# KiCad board ESP32-P4-PC_Rev_B.kicad_pcb (continued)
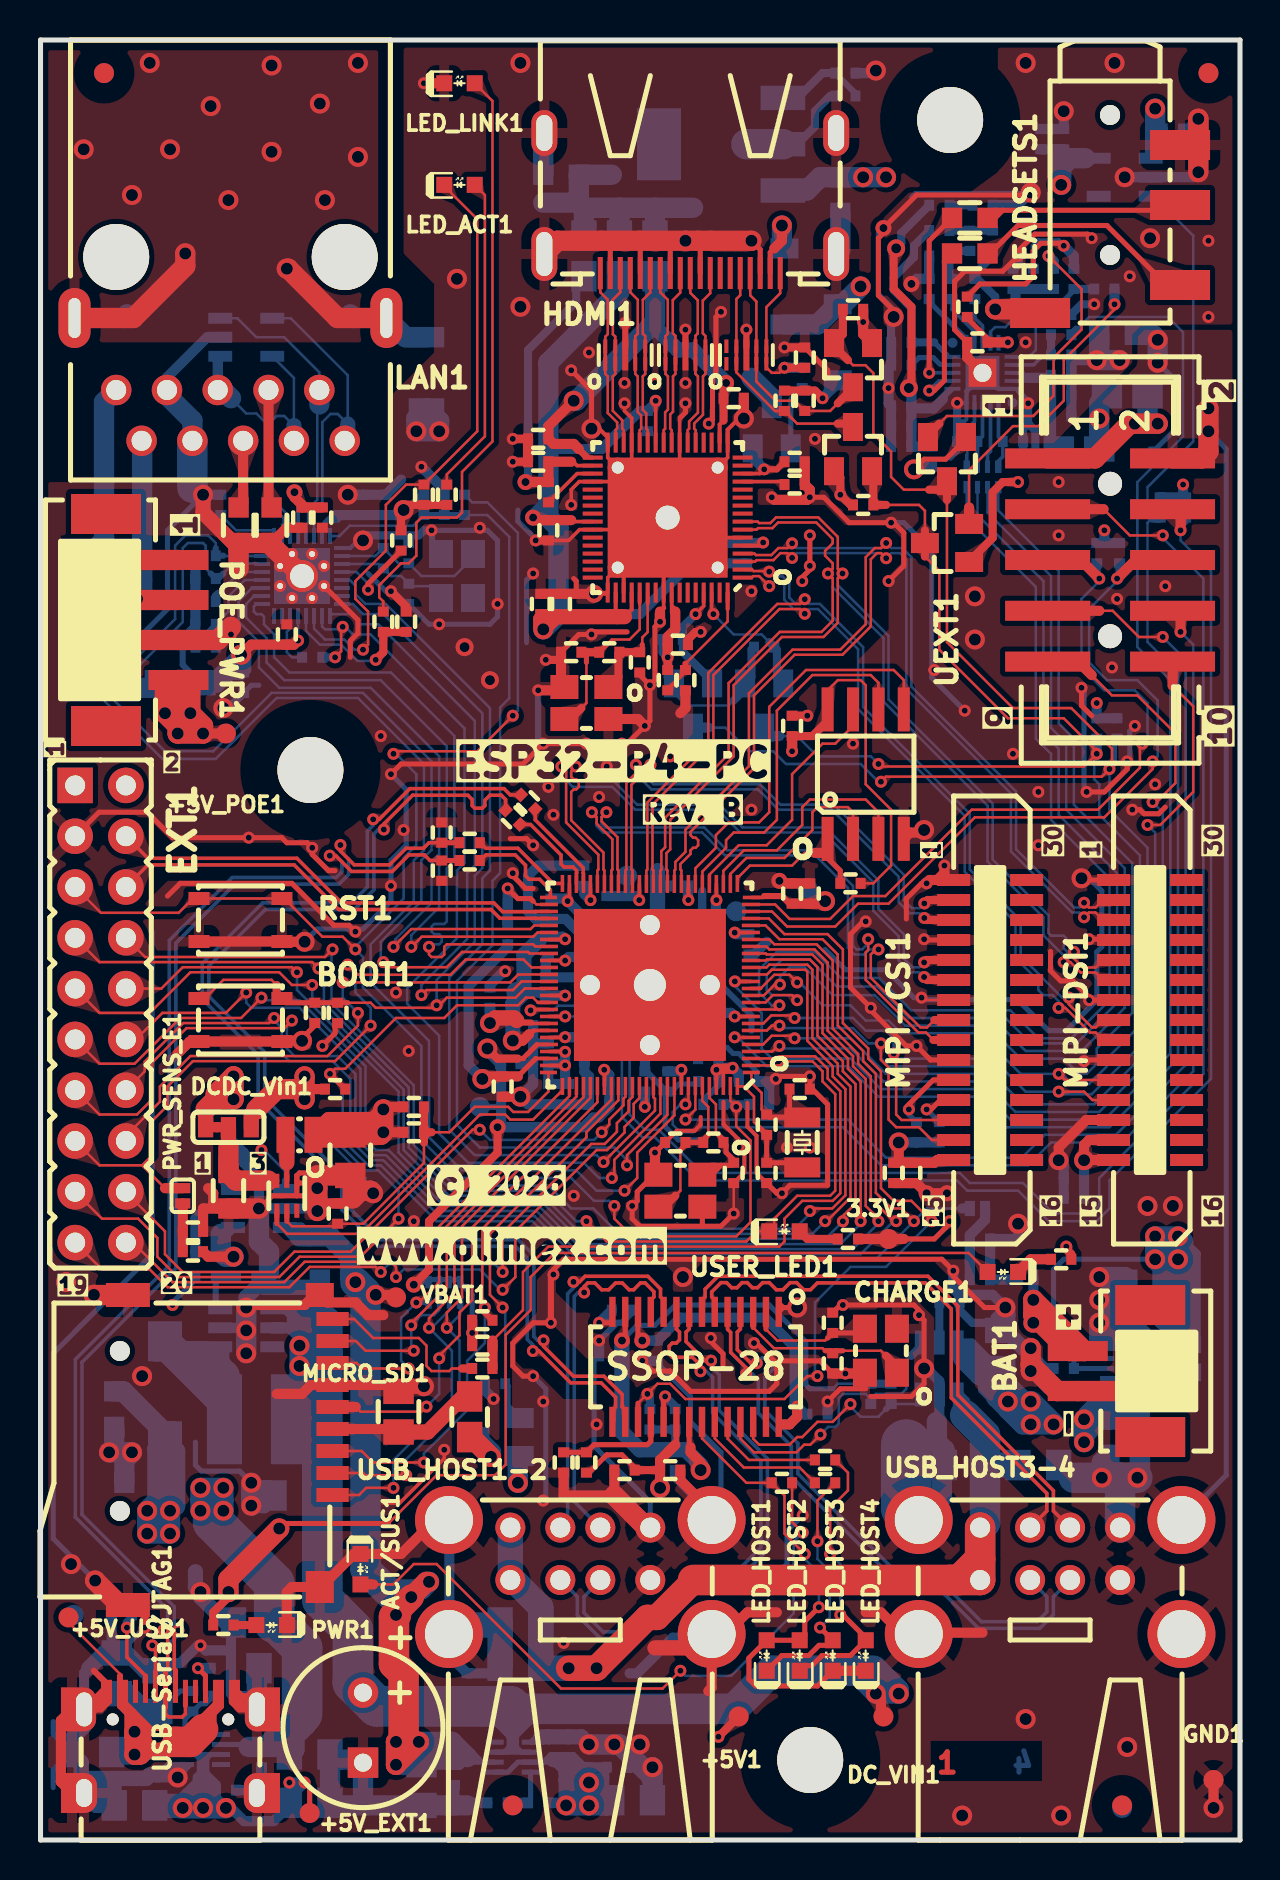
[diagram p0: board, top side]
## Routing (per net, layer and track width the routed paths; a pad name or vN(x,y) marks a point on that pad's centre or on a via; arc(x,y) is an arc through that point) (continued)
+3.3V: length 326.5
  Top w0.127: 26.24,38.73 v1(26.24,38.73) ; 26.22,39.43 v1(26.24,39.41) ; 52.21,34 v2(52.2,33.99)
  Top w0.178: U1.102 34.16,38.48 34.24,38.56 ; 25.43,39.43 26.22,39.43 ; v1(33.81,38.51) 33.81,38.51 U1.101 ; 25.43,38.73 26.24,38.73 ; v1(34.72,45.37) 34.73,45.38 U1.21 ; 25.43,43.98 26.23,43.98 v1(26.24,43.97) ; v1(34.72,41.18) 34.72,41.18 U1.9 ; v1(26.37,46.94) 26.46,47.03 U1.51 ; U1.96 v1(32.06,38.51)
  Top w0.254: v1(14.1,39.7) 14.73,40.34 14.73,40.72 R43.1 ; v1(45.47,30.94) 45.47,30.81 44.71,30.05 43.18,30.05
  Top w0.406: FET8.1 40.01,68.13 v1(40.01,67.26) 40.51,66.75 R86.1
  Top w0.508: MIPI-CSI1.15 44.85,34 44.72,33.86 C29.1 43.31,33.86 ; MIPI-DSI1.15 52.21,34 ; 43.31,33.86 43.05,33.86 42.93,33.99 v2(42.93,34.88) ; 43.31,33.86 C30.1 ; 43.18,30.05 3.3V1.1 R4.1 ; FET7.1 41.15,75.29 v1(41.15,75.9) R83.1 ; v1(34.62,38.61) 34.57,38.56 33.86,38.56 v1(33.81,38.51) ; v2(52.2,33.99) 52.2,34.75 52.45,35 MIPI-DSI1.14 ; 13.21,37.55 R42.1
  Top w0.762: DCDC_Vin1.3 10.54,36.28 10.8,36.53
  Top w1.016: 13.21,37.55 v2(13.21,38.18) ; 13.21,37.55 v2(13.21,37.04) ; 13.21,37.55 11.81,37.55 10.8,36.53 ; v2(55.88,70.82) v2(54.74,70.82) 54.48,70.82 52.75,69.08 UEXT1.1
  In1.Cu w0.508: 28.83,43.64 28.83,40.11 28.42,39.7 ; v1(26.24,43.97) 27.05,43.97 27.2,44.12 ; 28.58,44.91 28.96,44.53 32.13,44.53 32.97,45.37 v1(34.72,45.37) ; v1(32.06,38.51) 34.52,38.51 v1(34.62,38.61) ; 29.85,30.94 28.35,30.94 27.81,31.47 27.81,32.72 26.8,33.73 27.69,34.62 28.96,34.62
  In1.Cu w0.762: 27.94,39.7 28.42,39.7 29.82,38.31 31.12,38.31 33.33,40.52 33.45,40.52
  In1.Cu w1.016: 1.73,54.89 v2(4.45,57.61) 4.7,57.86 17.53,57.86 20.32,55.07 23.9,55.07 25.55,56.72 33.66,56.72 34.93,57.99 39.5,57.99 39.5,53.8 41.53,51.77 ; 13.21,34.88 15.11,34.88 16.26,33.73 26.8,33.73 ; 13.21,34.88 12.57,34.24 12.57,30.56 14.22,28.91 14.22,26.88 17.15,23.96 17.15,22.56 17.65,22.05 17.65,21.03 18.16,20.53 23.12,20.53 23.88,19.77 v2(23.88,17.86) 23.88,18.62 ; 13.21,34.88 v2(13.21,37.04) ; 33.45,40.52 33.58,40.52 34.67,41.61 35.81,41.61 35.81,44.28 v1(34.72,45.37) 35.05,45.7 35.05,47.58 36.7,49.23 41.53,49.23 41.53,51.77 ; v2(56.9,29.04) 55.5,29.04 53.98,30.56 53.98,32.34 52.32,33.99 v2(52.2,33.99) 52.2,34.5 49.28,37.42 49.28,48.34 48.01,49.61 48.01,51.26 47.5,51.77 ; v2(41.15,83.14) 40.13,83.14 38.35,81.36 38.35,75.9 v1(41.15,75.9) 41.15,74.25 40.51,73.61 40.51,68.28 41.78,67.01 43.82,67.01 ; 41.53,51.77 47.5,51.77 ; v2(54.74,70.82) 55.12,70.44 55.12,67.14 51.69,63.71 51.69,59.64 47.5,55.45 47.5,51.77
  In1.Cu w1.524: EXT1.1 1.73,54.89
  Bottom w0.254: v2(55.75,29.04) 51.18,29.04 50.67,28.53 C59.2 R44.2
  Bottom w0.305: R41.1 33.15,36.97 33.91,37.74 C42.2
  Bottom w0.508: v1(34.72,45.37) 34.8,45.29 C5.2 ; v2(52.2,33.99) C56.1 C57.1 ; v1(33.81,38.51) 33.91,38.61 v1(34.62,38.61) 34.93,38.31 C41.2 ; 53.21,64.85 v1(53.21,65.48) ; 53.21,64.85 R92.2 ; 53.21,64.85 R93.2 ; 53.85,56.09 52.83,56.09 v1(52.83,56.85) ; R49.1 R33.2 57.15,67.26 v1(57.15,67.77) ; C46.2 31.98,38.43 v1(32.06,38.51) ; C42.2 C43.2 ; v2(56.9,30.18) 57.79,29.29 57.79,24.84 57.72,24.78 L3.2 ; v1(26.24,43.97) 26.42,44.15 C32.2 ; C13.1 27.13,46.18 v1(26.37,46.94) 26.24,47.07 C12.1 ; v1(26.24,38.73) 26.24,37.98 26.42,37.8 25.4,37.8 C51.2 26.16,38.81 v1(26.24,38.73) ; v1(26.24,38.73) v1(26.24,39.41) ; v2(42.93,34.88) R27.1 R28.1 ; v1(34.72,41.18) 34.54,41.36 C4.1 C3.1
  Bottom w0.762: 57.15,25.05 L3.2
  Bottom w1.016: 55.75,29.54 v2(55.75,30.18) v2(56.9,30.18) ; 55.75,29.54 v2(55.75,29.04) ; 55.75,29.54 56.77,29.54 56.9,29.67 ; v2(56.9,30.18) 56.9,29.67 ; v2(56.9,30.18) 57.15,29.92 57.15,28.78 ; 56.9,29.67 v2(56.9,29.04) ; VR1.3 38.33,82.48 38.99,83.14 C66.1 v2(41.15,83.14) v2(42.29,83.14) ; v2(23.88,17.86) 23.88,19.1 FET1.2 ; 55.37,70.82 v2(55.88,70.82) ; 55.37,70.82 v2(54.74,70.82) ; 55.37,70.82 L9.1 ; L2.1 5.72,57.61 v2(4.45,57.61) ; v2(56.9,29.04) v2(55.75,29.04) ; v2(56.9,29.04) 57.15,28.78 ; v2(55.75,29.04) 56.13,28.66 C64.1 C63.1 56.13,26.06 57.15,25.05 57.15,28.78
+3.3VA: length 52.2
  Top w0.254: v2(43.69,68.53) 44.2,69.04 45.28,69.04 46.29,70.05 FET3.1 ; 46.36,77.17 46.99,77.8 49.28,77.8 49.66,78.19 49.66,79.45 50.04,79.84 51.06,79.84 v1(51.18,79.71)
  Top w0.406: v1(48.9,67.9) 48.13,67.9 47.63,67.39 47.63,65.1 46.45,63.93 FET4.1
  In1.Cu w0.762: 51.56,79.71 v1(51.18,79.71) ; v1(48.9,67.9) 48.9,68.41 48.77,68.53
  In1.Cu w1.016: 51.56,71.33 51.56,82.25 v2(51.06,82.76) ; 51.56,71.33 48.77,68.53 v2(43.69,68.53) ; 51.56,71.33 51.82,71.07 v2(52.96,71.07)
  Bottom w0.254: v1(51.18,79.71) 50.93,79.96 49.91,79.96 49.66,79.71 R57.2
  Bottom w0.508: R56.2 51.69,79.2 v1(51.18,79.71) ; VR2.5 52.26,84.09 ; v2(43.69,68.53) 43.82,68.66 R77.1 ; 50.8,84.53 50.8,83.52 51.06,83.27 ; 50.8,84.53 R68.1 ; 50.8,84.53 C82.1
  Bottom w1.016: 52.26,84.09 51.5,84.09 51.06,83.65 v2(51.06,82.76) ; L5.1 v2(52.96,71.07) 52.96,71.84 L9.2
+5V: length 264.8
  Top w0.254: R69.2 27.43,18.37 28.32,19.26 29.08,19.26 29.72,18.62 C91.2 ; U7.20 31.81,19.82 31.75,19.77
  Top w0.406: C67.1 C91.2 ; v1(33.91,5.16) +5V1.1
  Top w0.508: v2(30.99,17.61) C67.1 30.99,19 31.75,19.77
  In1.Cu w0.762: v2(55.75,86.57) 55.56,86.57 53.91,84.92 50.1,84.92 47.05,81.87 41.78,81.87 41.15,81.23 41.15,77.8 v2(41.02,77.68) ; 34.29,6.68 33.91,6.3 v1(33.91,5.16)
  In1.Cu w1.016: 36.64,17.16 34.04,19.77 32.26,19.77 C67.1 v2(30.99,17.61) ; 50.67,21.29 v2(50.67,20.78) 49.15,20.78 48.64,21.29 50.67,21.29 ; 50.67,21.29 50.67,21.92 ; 50.67,21.92 v2(49.53,21.92) v2(48.39,21.92) ; 50.67,21.92 51.31,22.56 56.64,22.56 58.17,24.08 58.17,68.28 57.15,69.3 57.15,80.6 56.52,81.23 56.52,85.81 v2(55.75,86.57) ; 6.48,17.61 v2(5.34,16.46) v2(5.34,15.32) v2(6.48,15.32) v2(6.48,16.46) ; 6.48,25.99 6.6,26.11 v1(6.6,26.75)
  In1.Cu w1.27: EXT1.2 4.5,52.73 6.35,50.88 6.35,40.59 6,40.24 6,26.47 6.48,25.99 v2(6.48,16.46) 6.46,16.44 5.36,16.44
  In1.Cu w2.286: 48.64,21.29 48.26,20.91 41.91,20.91 39.24,18.24 37.72,18.24 36.55,17.07 36.55,8.94 34.29,6.68 19.81,6.68 16.97,9.53 15.06,9.53 10.16,14.43 7.34,14.43 6.46,15.31
  Bottom w0.254: v1(6.6,26.75) 6.6,26.88 7.75,28.02 R95.1
  Bottom w0.406: U6.6 46.58,24.88 C74.1
  Bottom w0.508: VR2.1 55.53,84.18 55.75,84.41 ; v2(49.53,21.92) C74.1 ; C76.1 55.75,85.55 ; 47.14,23.45 47.14,22.53 47.75,21.92 v2(48.39,21.92)
  Bottom w1.016: v2(6.48,16.46) 6.73,16.72 6.73,19.42 D4.1 5.84,19.55 5.84,16.97 v2(5.34,16.46) ; v2(6.48,16.46) v2(5.34,16.46) ; v2(6.48,16.46) 6.48,15.83 ; v2(55.75,86.57) 55.75,84.41 ; D3.2 38.87,75.78 D2.2 40.13,76.78 v2(41.02,77.68) ; v2(49.53,21.92) v2(48.39,21.92) 48.39,21.54 49.15,20.78 v2(49.53,20.78) ; v2(49.53,21.92) 49.59,21.92 50.67,20.84 v2(50.67,20.78) v2(49.53,20.78) ; v2(49.53,21.92) v2(49.53,20.78) ; v2(5.34,16.46) 5.34,15.83 ; 5.34,15.83 v2(5.34,15.32) v2(6.48,15.32) 6.48,15.83 ; 5.34,15.83 6.48,15.83 ; C122.1 4.14,22.43 6.22,20.35 D4.1
  Bottom w1.524: v2(48.39,21.92) 48.01,22.31 C74.1 47.14,23.45 46.38,24.21
+5V_EXT: length 170.8
  Top w0.127: 17.4,15.83 19.81,18.24 22.73,18.24 23.27,18.77 23.27,25.25 24.51,26.5 24.51,28.15 25.72,29.35 46.42,29.35 CHARGE1.2
  Top w0.254: 17.4,15.83 12.19,15.83 v2(11.94,15.57) ; v1(13.21,2.87) 13.46,2.62 +5V_EXT1.1
  Top w0.406: R39.2 8.64,11.38 9.4,12.14 v2(9.4,12.4)
  Top w0.508: 47.4,28.38 CHARGE1.2 ; 8.13,29.42 8.38,29.16 v2(9.65,29.16)
  Top w1.016: v2(9.4,12.4) 9.4,13.03 v2(11.94,15.57)
  In1.Cu w0.508: 10.54,4.4 9.53,3.38 9.53,1.86 v2(9.27,1.6)
  In1.Cu w0.762: v1(12.45,2.87) 13.15,3.57 ; v1(12.45,2.87) v1(13.21,2.87) ; v1(12.45,2.87) 11.69,3.64 11.69,4.4
  In1.Cu w1.016: v2(9.4,12.4) 9.4,7.7 8.26,6.56 8.26,5.29 ; 9.15,4.4 9.15,4.6 8.31,5.44 8.26,5.39 8.26,5.29 ; v2(9.65,29.16) 11.53,27.28 11.53,18.65 11.94,18.24 v2(11.94,15.57) ; 8.26,1.6 8.51,1.86 8.51,2.11 8.76,2.11 v2(9.27,1.6) v2(7.11,1.6) 8.51,3 8.26,3.25 8.26,5.29 ; 25.27,1.73 26.42,2.87 v2(27.43,2.87) 27.43,2.38 ; 26.54,1.49 27.2,1.49 27.43,1.72 27.43,2.38 ; 26.54,1.49 27.43,2.38 ; 26.54,1.49 26.3,1.73 v2(26.29,1.73)
  In1.Cu w1.524: 8.51,2.11 8.51,3.76 9.15,4.4
  In1.Cu w1.778: 9.15,4.4 11.69,4.4
  In1.Cu w2.032: v2(26.29,1.73) 14.99,1.73 12.32,4.4 11.69,4.4
  Bottom w0.254: 7.16,2.19 6.17,2.19 C118.2 ; 8.13,4.28 U13.2 7.74,4.28 8.13,3.89 8.51,4.28 U13.7 8.13,4.28 ; 8.13,4.28 8.13,4.02 ; 25.15,3.89 25.53,3.89 25.66,4.02 ; 25.15,3.89 25.52,4.27 26.67,4.27 27.42,3.52 27.43,3.52 ; 25.15,3.89 U16.3 23.88,3.89 23.38,3.39 22.72,3.39
  Bottom w0.508: 9.02,29.42 8.89,29.29 C126.1 ; 7.86,2.89 7.86,3.12 8.13,3.38 ; 7.86,2.89 8.13,3.15 8.13,3.38 ; 7.86,2.89 7.29,2.31 ; 28.19,3.13 28.19,3.51 C131.2 27.55,3.64 27.43,3.52 ; 28.19,3.13 28.19,2.37 C130.1 ; 28.19,3.13 27.69,3.13 v2(27.43,2.87) ; C125.1 v1(12.45,2.87) v1(13.21,2.87) 12.45,2.11 C125.1 ; C125.1 12.45,1.73 11.66,0.94 10.19,0.94 9.53,1.6 v2(9.27,1.6) 8.76,2.11 C31.2 8.76,2.75 8.13,3.38 ; 8.13,2.24 8.05,2.31 7.29,2.31 ; 6.48,1.6 6.58,1.6 7.29,2.31 ; R105.2 26.16,1.86 v2(26.29,1.73) ; 9.02,30.31 9.3,30.31 U15.4 ; 25.66,4.02 26.29,3.38 ; 26.8,1.73 26.8,3
  Bottom w0.635: 8.13,4.02 8.13,3.38
  Bottom w0.762: v2(26.29,1.73) 26.29,3 ; 26.29,3 26.29,4.02 ; 26.29,3 27.43,3 ; 27.43,3.52 26.91,3.52 26.42,4.02 26.29,4.02 ; 25.66,4.02 26.29,4.02 ; v2(8.13,1.6) 8.13,2.75 8.26,2.87
  Bottom w1.016: C118.2 5.84,1.6 v2(7.11,1.6) ; v2(27.43,1.73) v2(27.43,2.87) ; v2(27.43,1.73) v2(26.29,1.73) ; v2(27.43,1.73) 28.32,1.73 C130.1 ; v2(9.65,29.16) 9.27,29.16 9.02,29.42 9.02,30.31 ; 7.01,1.58 9.27,1.58
+5V_USB: length 41.7
  Top w0.127: +5V_USB1.1 1.4,10.88 3.97,8.3 3.97,8.21
  Top w0.305: 3.97,8.21 USB-Serial/JTAG1.A4 3.97,6.7 4.34,6.33 4.34,5.13 ; 8.65,6.31 8.13,5.79 8.13,5.54 ; 8.65,6.31 8.65,5.66 8.54,5.54 8.13,5.54 ; 8.65,6.31 9.03,6.68 USB-Serial/JTAG1.A9 ; 8.13,5.54 8.13,6.18 8.78,6.82 USB-Serial/JTAG1.B4 ; v2(4.7,5.41) 4.62,5.49 4.62,6.02 ; v2(5.84,5.16) 5.84,5.21 4.62,6.43 ; 5.61,4.91 5.61,5.03 4.62,6.02 ; USB-Serial/JTAG1.B9 4.22,6.83 4.62,6.43 ; 4.62,6.43 4.62,6.02
  Top w1.016: v2(4.7,5.41) v2(4.7,4.27) 4.98,4.27 5.61,4.91 ; 5.34,5.16 6.86,5.16
  Top w1.524: 5.61,4.91 7.49,4.91 8.13,5.54
  Bottom w0.254: 6.16,4.84 6.23,4.78 U13.3 7.87,4.78 8.37,5.28 U13.5 ; R24.2 6.99,7.45 5.97,6.43 C132.2
  Bottom w0.508: C119.2 5.46,5.29 5.02,5.73 ; C119.2 5.59,4.27 6.16,4.84 v2(5.84,5.16) ; C119.2 v2(4.7,4.27)
  Bottom w1.016: C132.2 5.72,6.43 v2(4.7,5.41) v2(4.7,4.27) 3.68,4.27 C133.2 ; C132.2 5.21,6.43 4.32,7.32 3.81,7.32 ; C132.2 v2(5.84,5.16)
+5VP: length 83.6
  Top w0.508: v2(8.13,55.33) +5V_POE1.1
  Top w1.016: 6.86,55.71 6.9,55.75 POE_PWR1.4 7.38,58 7.49,57.89 v2(7.49,56.34) 8.13,55.71 v2(8.13,55.33) v2(6.86,55.33) 6.86,55.71 ; 6.86,55.71 v2(6.22,56.34) 6.22,57.99
  In1.Cu w1.016: v2(9.15,17.61) v2(9.15,16.46) v2(8,16.46) v2(8,17.61) 8.26,17.35 8.51,17.35 ; 7.37,56.34 v2(6.22,56.34) 6.73,55.83 7.37,55.83
  In1.Cu w2.032: 8.51,17.35 8.51,27.64 7.88,28.27 7.88,39.32 8.51,39.96 8.51,54.69 7.37,55.83
  Bottom w0.254: U13.6 10.29,4.78 10.41,4.65
  Bottom w0.762: C120.2 12.7,6.3 13.08,6.3
  Bottom w1.016: 9.15,16.97 v2(9.15,16.46) v2(8,16.46) 8,16.97 ; 9.15,16.97 8,16.97 ; 9.15,16.97 v2(9.15,17.61) v2(8,17.61) 8,16.97 ; 12.7,5.54 12.7,4.53 C134.2 12.07,4.65 C120.2 10.41,4.65
  Bottom w1.524: 12.7,5.54 13.08,5.92 13.08,6.3
  Bottom w2.032: 13.08,6.3 13.08,9.61 11.81,10.88 C135.2 11.69,12.84 8.64,15.89 8.64,16.46
/3.3V_PHY: length 41.4
  Top w0.406: R21.1 18.03,66.37 v2(18.16,66.5) 18.42,66.75 20.32,66.75
  Top w0.508: v2(10.03,59.26) 10.54,59.77 C21.1 12.68,59.77 v1(12.88,59.97)
  In1.Cu w1.016: v2(10.03,59.26) 10.8,60.02 10.8,64.98 11.94,66.12 17.78,66.12 v2(18.16,66.5)
  Bottom w0.127: v1(12.88,59.97) U2.13
  Bottom w0.178: U2.31 14.08,65.72 14.22,65.87
  Bottom w0.254: 14.35,65.99 14.22,65.87 ; 14.35,65.99 14.73,66.37 ; 14.35,65.99 14.86,65.99 15.11,66.25 14.99,66.37 14.73,66.37 ; 14.73,66.37 14.73,66.12
  Bottom w0.305: R22.1 7.11,60.15 7.11,58.75 L2.2 ; R18.1 19.05,67.26 18.29,66.5 v2(18.16,66.5)
  Bottom w0.508: v2(18.16,66.5) 17.91,66.25 C22.1 C23.1 14.86,66.25 14.73,66.12 ; v2(10.03,59.26) 10.29,59.01 10.29,58.5 C20.1 10.03,58.25 9.15,58.25 ; R35.1 R34.1 R37.1 R22.1
  Bottom w1.016: v2(10.03,59.26) 10.03,59.13 8.76,57.86 L2.2
/+5V_HDMI: length 3.8
  Top w0.254: 36.7,79.58 36.5,79.38 HDMI1.18
  Top w0.508: 36.7,79.58 37.09,79.96 v2(37.09,80.72)
  Bottom w1.016: D3.1 37.09,79.7 v2(37.09,80.72)
/+5V_USB_HOST: length 49.1
  Top w1.27: 32.64,13 32.64,12.93 30.84,11.13 30.35,11.13 v2(27.81,8.59) v2(26.42,8.59)
  Top w1.524: 32.64,13 45.47,13 ; 45.47,13 USB_HOST3-4.2.1 47,14.05 ; 45.47,13 45.95,13 47,14.05 ; 47,14.05 USB_HOST3-4.1.1
  Bottom w0.508: 46.25,21.24 46.25,21.93 U6.1
  Bottom w1.27: USB_HOST1-2.1.1 USB_HOST1-2.2.1 23.66,13 25.02,11.64 C93.2 C90.2 25.15,8.59 v2(27.81,8.59) ; C89.2 C92.2
  Bottom w1.524: USB_HOST3-4.2.1 USB_HOST3-4.1.1 47.25,15.86 C92.2 47.25,20.25 46.25,21.24
/VDD_SD: length 2.8
  Top w1.016: L1.1 21.54,20.15 v2(22.53,19.16)
  Bottom w1.016: FET1.3 22.53,19.38 v2(22.53,19.16)
GND: length 998.3
  Top w0.127: v1(44.07,42.12) 44.19,42 MIPI-CSI1.7 ; 12.11,39.96 BOOT1.2 ; v1(34.67,31.32) C44.1
  Top w0.178: U12.65 28.37,69.12 U12.32 ; U12.17 34.37,69.12 U12.65 ; U12.65 32.37,65.12 U12.6 ; U12.65 29.57,67.92 ; U12.65 31.97,66.72 U12.23 31.97,71.09 32,71.12 ; U12.65 30.77,65.52 U12.42 26.96,65.52 26.42,64.98 C109.1 ; 29.57,67.92 U12.36 26.95,67.92 26.54,67.52 v1(26.54,66.75) ; 29.57,67.92 U12.29 29.57,71.09 29.21,71.45 v1(29.21,71.84) ; v1(20.19,19.51) 20.19,19.08 17.96,16.84 17.15,16.84 ; U12.49 27.75,62.37 ; U12.49 28.31,62.31 ; U12.49 28.37,63.12 U12.65 ; U12.56 31.17,61.6
  Top w0.203: C44.1 35.21,33.38 35.21,34.37 v1(34.93,34.65) 34.93,35.02 34.16,35.78 34.16,36.91 ; v2(35.18,71.07) 34.93,71.07 34.37,70.52 U12.17 ; v2(27.56,70.56) 27.94,70.56 28.37,70.14 U12.32 ; U12.56 31.17,65.92 U12.65 ; C45.1 31.83,35.46 32.72,35.46 33.02,35.77 33.02,36.15 ; U12.51 29.17,63.32 U12.65 ; 27.75,62.37 v3(27.69,62.31) 28.31,62.31 ; C1.1 35.81,33.35 35.81,35.21 35.36,35.67 35.36,36.86
  Top w0.254: MIPI-DSI1.4 53.64,45.04 v1(52.45,45.04) ; C60.2 13.72,40.72 13.08,40.08 v2(13.08,39.96) ; 23.5,50.07 24.31,50.07 v1(24.64,49.74) ; v1(34.67,31.32) 34.04,30.69 33.15,30.69 ; 41.28,22.56 40.01,22.56 v1(39.37,21.92) ; 31.17,61.6 30.99,61.42 ; v1(34.04,76.41) 33.78,76.15 33.78,73.28 33.61,73.11 33.61,71.01 v1(33.43,70.82) ; 32,71.12 32.26,71.38 v1(32.26,71.84) ; 36.83,23.83 35.81,24.84 v1(35.69,24.84) ; 36.83,23.83 36.83,22.81 36.45,22.43 32.51,22.43 31.5,23.45 30.61,23.45 v1(30.1,23.96) ; 36.83,23.83 36.96,23.96 38.99,23.96 C72.2 ; 39.37,73.23 39.37,73.49 38.23,74.63 ; U2.33 15.88,61.01 15.88,60.33 15.5,59.95 15.5,59.13 ; v1(36.78,38.05) 36.91,38.18 v1(38.48,38.18) C2.1 38.61,37.55 39.37,36.78 39.37,32.74 37.48,32.74 v1(37.09,32.34) 36.83,32.34 C1.1 ; C73.2 40.01,26.75 43.69,26.75 43.94,26.5 v1(43.94,26.24) 44.2,25.99 v2(44.2,23.58) 44.2,22.81 43.56,22.18 41.53,22.18 ; v1(38.1,62.95) 38.1,63.14 38.48,63.52 v1(38.48,63.71) v1(38.48,65.23) ; v1(52.32,52.4) 53.21,52.4 54.36,53.55 v1(54.36,53.93) ; 12.82,32.21 13.72,32.21 13.84,32.08 ; 12.82,32.21 11.59,32.21 10.95,31.58 v2(10.92,31.58) ; 12.82,32.21 U5.1 ; MIPI-DSI1.7 53.66,41.99 v1(52.45,41.99) 52.45,42.14 51.64,42.96 51.03,42.96 50.52,43.46 50.52,44.43 ; HDMI1.17 36,79.52 v2(35.56,79.96) ; v2(52.07,48.09) 52.16,48 MIPI-DSI1.1 ; 13.84,32.85 12.94,32.85 U5.1 ; v2(37.85,26.62) 37.14,26.62 ; 37.14,26.62 U7.1 ; 37.14,26.62 36.96,26.81 ; v1(54.61,51.52) 54.99,51.52 55.2,51.31 55.93,51.31 56.26,51.64 ; v1(30.48,57.74) 30.74,57.99 30.74,60.66 v1(30.99,60.91) ; v1(30.48,57.74) 29.97,58.25 C113.1 ; v1(30.48,57.74) 30.48,55.96 v1(30.23,55.71) 29.34,54.82 v1(29.08,54.82) v1(27.31,54.82) v1(25.15,54.82) 24.13,53.8 18.03,53.8 v1(17.53,53.29) ; 33.15,30.69 29.97,30.69 29.59,31.07 v1(29.59,31.7) 29.85,31.96 29.85,32.41 30.7,33.27 Q3.3 ; 33.15,30.69 33.1,30.73 Q3.3 ; 14.73,48.47 14.4,48.47 13.59,49.28 v1(13.59,49.61) 13.34,49.86 12.32,49.86 12.07,50.12 v1(10.41,50.12) 6.6,50.12 5.34,51.39 2.93,51.39 EXT1.3 ; HDMI1.11 33,79.86 32.89,79.96 ; HDMI1.8 31.5,79.84 31.62,79.96 v2(32.26,79.96) ; MIPI-DSI1.10 52.26,39 v1(52.2,38.94) ; 6.35,47.2 6.99,47.83 12.57,47.83 14.67,45.74 15.43,45.74 v1(15.75,45.42) ; MIPI-CSI1.4 44.24,45 v1(44.2,45.04) ; 43.31,46.05 43.31,47.07 44.07,47.83 v1(44.32,47.83) ; v2(48.26,26.62) 47.22,26.62 45.66,28.19 v1(45.66,28.46) 45.09,29.04 26.16,29.04 25.66,28.53 v1(25.66,28.27) ; v1(24.64,23.19) 24.13,23.19 23.62,23.7 23.62,24.84 24.64,25.86 v1(25.53,25.86) ; v1(41.28,45.93) 41.15,45.93 40.51,45.29 40.51,42.62 v1(41.53,41.61) 41.53,41.48 43.31,39.7 v1(43.82,39.7) 44.52,39 MIPI-CSI1.10 ; 29.34,60.41 27.69,60.41 v1(27.56,60.28) 26.93,60.28 C114.1 ; 29.97,79.96 30,79.94 HDMI1.5 ; 26.8,62.31 26.8,62.95 26.67,63.07 ; 24.64,47.58 24.26,47.58 23.62,48.21 v1(23.62,48.34) ; 13.84,33.23 13.72,33.35 12.96,33.35 12.82,33.22 U5.1 ; 52.58,56.21 52.07,56.72 v1(52.07,57.61) ; v1(30.74,34.37) C45.1 ; v1(33.53,25.1) 33.53,24.92 34.14,24.31 34.14,23.58 ; v1(38.48,67.14) 39.18,67.14 40.45,65.87 v1(42.55,65.87) 42.67,65.87 43.18,65.36 43.18,63.71 v1(42.42,62.95) ; v1(26.54,73.49) 27.56,72.47 v2(27.56,70.56) ; HDMI1.2 28.5,79.53 28.07,79.96
  Top w0.305: 10.06,7.19 USB-Serial/JTAG1.A12 9.82,7.02 10.31,6.53 USB-Serial/JTAG1.0 ; 10.06,7.19 10.73,6.53 USB-Serial/JTAG1.0 ; 10.06,7.19 10.8,7.19 10.82,7.17 USB-Serial/JTAG1.0 ; USB-Serial/JTAG1.A1 3.18,7.95 2.67,8.46 ; v1(25.53,25.86) 25.53,28.15 v1(25.66,28.27) ; USB-Serial/JTAG1.B12 3.43,7.16 2.79,6.53 ; USB-Serial/JTAG1.B12 3.43,6.93 3.02,6.53 2.79,6.53 ; USB-Serial/JTAG1.B12 2.52,6.53 USB-Serial/JTAG1.0 ; USB-Serial/JTAG1.B12 3.08,7.43 USB-Serial/JTAG1.0 ; 2.79,6.53 USB-Serial/JTAG1.0 ; U10.8 v1(32.26,75.52) ; USB-Serial/JTAG1.0 9.93,6.53 9.57,6.89 USB-Serial/JTAG1.B1 ; v1(29.25,75.86) U9.8 ; U11.8 v1(35.31,75.52)
  Top w0.406: v1(5.21,10.62) 5.21,11.76 4.38,11.76 MICRO_SD1.13 ; v1(17.53,62.44) 18.29,61.67 R10.1 ; v1(38.35,56.21) C38.1 ; C106.1 32.39,60.02 32.77,60.41 v1(33.02,60.41) ; v1(37.21,74.63) 38.23,74.63 ; v1(23.62,70.06) C112.1 ; v1(25.27,59.01) 26.04,59.01 C114.1 ; v1(23.62,68.91) C111.1 ; v1(24.77,64.98) C109.1
  Top w0.508: v3(27.69,62.31) C107.1 C108.1 ; C105.1 32.26,56.59 32,56.34 ; 33.07,16 33.07,16.92 32,17.99 32,18.5 ; v4(45.34,32.34) v4(44.32,32.34) 43.82,32.85 C29.2 C30.2 ; 47.12,10.37 44,10.37 USB_HOST3-4.0 43.12,10.3 42.04,11.38 41.28,11.38 ; C6.2 C7.2 37.09,47.83 v4(36.96,47.96) ; MICRO_SD1.6 17.59,22.75 C14.2 ; v2(50.93,33.99) 50.93,34.62 52.3,36 MIPI-DSI1.13 ; 8.38,32.59 8.64,32.34 8.64,31.83 8.89,31.58 C35.2 8.13,31.58 8.13,30.43 ; 15.62,32.08 15.37,31.83 R47.2 14.1,31.83 13.84,32.08 ; 10.41,26.62 10.54,26.75 13.21,26.75 13.71,27.25 MICRO_SD1.10 14.34,26.88 15.75,26.88 16.38,26.24 17.15,26.24 ; v2(13.21,44.91) 12.09,44.91 RST1.2 RST1.2 ; C91.1 28.7,17.22 26.16,17.22 R70.2 ; Q4.3 41.19,23.32 C72.2 ; R65.2 R76.1 38.48,67.52 v1(38.48,67.14) 38.35,67.01 36.7,67.01 v1(36.58,67.14) ; 44.86,48 45.21,48.36 v1(45.21,48.72) ; 44.86,48 44.49,48 v1(44.32,47.83) ; 44.86,48 MIPI-CSI1.1 ; LED_LINK1.1 v1(19.18,87.84) ; C114.1 26.04,57.82 Q6.3 26.04,57.48 v1(24.89,57.48) ; C95.2 v2(35.18,71.07) ; 36.83,11.38 35.36,11.38 34.27,10.3 USB_HOST1-2.0 33.57,7.61 33.4,7.45 ; C52.1 v2(24,37.16) ; v2(13.08,39.96) 12.11,39.96 ; v1(30.74,34.37) 30.74,33.44 Q3.3 ; PWR1.1 12.32,12.4 12.57,12.65 MICRO_SD1.11 14.03,12.65 15.69,14.3 ACT/SUS1.1 18.03,14.3 19.73,16 USB_HOST1-2.0 ; U3.4 43.5,50.37 44.07,50.37 v2(44.2,50.5) ; C16.1 9.65,64.85 ; GND1.1 v2(58.68,1.6) ; C15.1 12.32,65.61 C19.2 ; USB-Serial/JTAG1.0 1.02,2.91 1.02,5.97 USB-Serial/JTAG1.0 ; MICRO_SD1.6 13.53,22.75 13.08,22.31 11.81,22.31 ; Q6.3 29.88,56.05 v1(30.23,55.71) ; C111.1 C112.1 ; 6.86,39.32 7.46,39.92 BOOT1.2 BOOT1.2 ; 30.99,61.42 v1(30.99,60.91)
  Top w0.762: v2(8.13,67.26) 8.13,66.37 9.65,64.85 ; C14.2 18.16,22.69 v2(19.18,22.69) ; 33.07,10.3 32.38,9.61 30.74,9.61
  Top w1.016: v2(2.41,58.63) v2(3.3,59.52) 3.94,59.52 4.45,60.02 v2(4.57,60.02) 4.6,60 POE_PWR1.3 8.87,60 9.53,60.66 ; 28.7,17.22 30.31,15.62 USB_HOST1-2.1.4 ; MICRO_SD1.12 2.68,27.25 v2(2.67,27.26) ; v2(2.73,12.97) 3.95,11.75 MICRO_SD1.13 ; 49.53,23.77 v2(49.53,23.45) ; 49.53,23.77 50.85,22.45 BAT1.2 54.63,22.45 54.99,22.81 ; 49.53,23.77 v2(49.53,24.59) ; 9.91,63.58 C16.1 C15.1 11.56,64.72 U2.33 ; HDMI1.0 25.86,79.96 v2(32.26,79.96) v2(35.56,79.96) ; C35.2 v2(10.92,31.58) ; v2(13.84,31.45) v2(13.84,32.59) 13.84,33.23 15.5,33.23 15.62,33.1 15.62,32.08 16,32.47 16.51,32.47 16.59,32.39 ; UEXT1.2 58.08,69.08 58.42,69.42 v2(58.42,70.44) v2(58.42,71.58)
  In1.Cu w0.254: 27.26,28.58 25.96,28.58 v1(25.66,28.27)
  In1.Cu w0.508: USB_HOST1-2.0 17.7,16
  In2.Cu w0.305: v1(38.1,62.95) 37.85,62.95 36.63,64.16 36.12,64.16
  In2.Cu w1.016: USB-Serial/JTAG1.0 10.82,8.56 ; USB-Serial/JTAG1.0 2.18,8.36
  In2.Cu w1.524: 6.48,66.5 7.59,67.62 LAN1.7 7.59,70.97 6.32,72.24 LAN1.8
  Bottom w0.127: v2(16.64,32.34) 16.26,32.72 16.26,33.1 14.61,34.75 14.61,35.51
  Bottom w0.203: U2.1 15.5,64.6 15.88,64.98 v2(16.13,64.98)
  Bottom w0.254: 32.89,39.63 34.34,39.63 34.65,39.32 34.93,39.32 35.81,38.43 35.81,38.05 C41.1 ; 0.64,5.92 0.64,5.29 C133.1 0.64,3.51 0.64,2.62 ; 10.92,57.74 10.54,57.74 C20.2 ; 33.02,35 31.9,35 31.24,35.67 31.24,37.29 C46.1 31.56,37.42 31.94,37.8 32.77,37.8 C42.1 ; v1(46.23,56.47) 44.58,58.12 44.58,64.47 43.18,65.87 v1(42.55,65.87) ; 6.22,3.64 6.73,3.64 6.8,3.57 ; 6.22,3.64 5.84,3.25 ; 6.22,3.64 6.36,3.78 U13.1 ; USB_HOST1-2.1.4 30.5,16.89 27.69,19.7 27.69,23.96 C69.2 ; 1.02,64.72 1.02,60.02 v2(2.41,58.63) v2(3.3,59.52) ; 6.8,3.57 7,3.78 U13.1 ; 6.8,3.57 6.8,3.25 ; U13.1 7.23,3.51 ; U13.1 7.05,3.6 7.05,3.25 ; 24.31,59.87 24.31,63 v1(24.64,63.33) ; v2(52.07,48.09) 52.45,48.09 53.09,47.45 53.09,44.66 52.83,44.4 52.83,41.99 51.31,40.47 50.42,40.47 48.87,42.02 44.17,42.02 v1(44.07,42.12) 43.69,42.12 42.29,43.51 40.26,43.51 39.24,44.53 ; 7.23,3.51 7.48,3.76 ; 7.23,3.51 7.23,3.5 v2(6.86,3.13) ; v2(58.42,70.44) 59.31,69.55 59.31,18.24 USB_HOST3-4.0 ; v2(8.13,67.26) 6.35,65.48 6.35,61.55 4.83,60.02 v2(4.57,60.02) ; v2(55.88,73.87) 56.77,72.98 56.77,70.54 55.78,69.55 55.5,69.55 ; v2(54.23,24.97) 54.1,24.84 54.1,24.21 54.24,24.08 U4.1 ; 25.4,5.16 25.13,4.89 U16.1 24.79,5.16 25.02,5.16 ; v1(19.56,65.48) 22.35,65.48 22.86,64.98 v1(22.86,61.8) 22.86,61.17 22.48,60.79 v1(19.94,60.79) 19.43,60.79 C25.1 18.29,61.8 17.65,62.44 v1(17.53,62.44) 17.27,62.44 16.38,63.33 ; 55.86,24.24 55.73,24.11 55.27,24.11 ; v1(5.21,10.62) 3.94,9.35 C127.1 ; 55.27,24.11 55.24,24.08 U4.1 ; 55.27,24.11 55.27,24.87 v2(55.37,24.97) ; v1(52.07,57.61) 52.2,57.48 52.2,52.53 v1(52.32,52.4) ; v1(25.15,16.97) 25.27,17.1 25.27,22.56 v1(24.64,23.19) ; v1(54.36,53.93) 54.48,54.06 54.48,55.45 v1(54.74,55.71) ; v1(38.13,16.23) 37.34,15.45 37.34,13.8 36.96,13.42 ; 54.36,25.1 54.71,24.74 54.71,24.22 U4.1 ; R6.1 3.56,12.14 0.64,15.07 0.64,24.34 5.59,29.29 5.59,45.42 ; C24.1 18.42,65.23 ; v2(10.54,17.86) 9.96,18.44 8.05,18.44 7.75,18.75 7.75,19.89 ; v2(13.21,44.91) 13.84,45.55 16.13,45.55 17.53,46.94 17.53,48.97 18.29,49.74 18.29,52.53 v1(17.53,53.29) ; v1(24.77,64.98) 24.77,65.05 23.88,65.93 23.88,66.5 ; USB_HOST1-2.0 34.04,16.47 34.04,19.38 32.51,20.91 32.51,22.18 30.86,23.83 C70.2
  Bottom w0.305: v1(27.94,24.97) 28.83,25.86 29.08,25.86 29.59,26.37 R53.1 ; v1(25.15,54.82) 24.89,55.07 v1(24.89,57.48) ; 35.56,40.47 35.56,41.23 34.04,42.75 U1.105 ; C46.1 31.32,37.42 30.3,38.43 C47.1 ; Q2.3 19.58,64.74 19.58,65.46 v1(19.56,65.48)
  Bottom w0.406: v2(9.15,56.59) 9.4,56.59 C20.2 ; v1(19.56,65.48) 19.18,65.48 18.92,65.23 16.38,65.23 v2(16.13,64.98) ; 33.1,47.45 33.1,46.51 C9.1 ; C74.2 47.63,25.86 46.61,25.86 45.97,26.5 R51.1
  Bottom w0.508: 25.4,39.83 24.64,39.83 ; 24.64,39.83 24.64,38.81 ; 24.64,39.83 C39.1 ; 27.18,36.78 C48.2 ; 27.18,36.78 C50.1 C53.1 24.38,36.78 v2(24,37.16) 24.64,37.8 24.64,38.81 ; 27.18,36.78 27.43,37.04 C49.2 27.43,38.18 27.2,38.41 C58.1 ; C57.2 C56.2 51.18,33.73 v2(50.93,33.99) ; v2(10.92,31.58) 10.92,33.1 10.16,33.86 R102.2 10.16,34.37 9.53,35 ; v2(10.92,31.58) 8.26,31.58 7.75,31.07 C126.2 ; v2(10.92,31.58) U15.2 13.72,31.58 v2(13.84,31.45) ; 24.64,38.81 C61.1 ; C47.1 30.23,39.5 U1.105 ; v1(22.66,22.05) 22.23,22.49 R3.1 ; GND1.1 v2(58.68,1.6) ; USB_HOST1-2.0 33.57,16.36 31.75,18.18 C68.2 ; v2(10.29,25.48) 10.16,25.61 U14.2 ; TVS1.2 8.33,75.14 6.32,73.13 LAN1.8 ; C120.1 11.05,2.58 USB-Serial/JTAG1.0 10.68,2.49 C31.1 ; C71.2 v1(39.37,21.92) ; C40.1 36.45,37.8 ; 36.45,37.8 36.7,38.05 v1(36.78,38.05) ; 36.45,37.8 36.58,37.93 C41.1 ; v1(19.05,68.66) 20.19,67.52 C26.2 ; v1(9.53,60.28) 9.4,60.28 R23.1 ; R96.2 C115.1 48.77,30.05 48.9,30.18 v2(48.9,30.81) ; 29.47,8.33 29.85,8.33 31.62,10.11 32.88,10.11 33.07,10.3 ; 26.42,5.03 26.42,5.16 ; 9.53,9.48 8.26,9.48 v1(8,9.73) 7.88,9.73 6.99,8.84 6.22,8.84 C132.1 ; 9.65,10.88 9.53,10.75 R5.1 9.53,7.32 9.65,7.19 10.82,7.19 USB-Serial/JTAG1.0 ; C3.2 C43.1 32.64,39.32 32,39.32 ; C127.1 3.56,9.61 R6.1 ; R51.1 45.97,27.26 ; 45.97,27.26 45.66,27.58 v1(45.66,28.46) ; 45.97,27.26 47.63,27.26 v2(48.26,26.62) ; v2(41.78,88.47) 41.66,88.34 R50.1 ; U1.105 27.1,43.13 C55.1 25.27,44.02 C54.1 ; R45.2 50.28,23.58 49.53,24.32 v2(49.53,24.59) v2(49.53,23.45) 49.53,23.38 50.36,22.56 51.06,22.56 ; R103.2 21.46,1.86 21.34,1.73 ; U1.105 30.05,46.18 C11.2 C10.2 ; U12.65 34.08,63.83 C94.2 ; v2(15.37,67.26) C23.2 C22.2 18.03,68.03 ; C131.1 30.1,3.64 30.61,3.13 ; v1(23.24,43.44) 23.17,43.44 22.48,42.75 C36.2 ; R2.2 24.89,48.72 24.38,48.21 24.38,46.44 24.77,46.05 C12.2 26.26,46.05 27.15,45.17 C13.2 27.94,45.17 C32.1 ; 19.93,16 USB_HOST1-2.0 20.45,15.98 20.45,10.32 USB_HOST1-2.0 20.43,9.24 C128.1 22.61,8.33 C90.1 ; C70.2 v1(30.1,23.96) ; 44.83,20.91 44.96,21.03 U6.2 44.96,22.94 44.32,23.58 v2(44.2,23.58) ; 36.32,44.91 35.69,44.28 C5.1 ; 13.72,27.64 13.97,27.89 C124.2 ; C121.1 20.7,1.73 ; 2.41,8.59 2.18,8.36 USB-Serial/JTAG1.0 ; R17.2 v2(8.13,67.26) ; C9.1 C8.1 ; C69.2 v1(27.94,24.97)